# Altium PCB novena_evt1_a.PcbDoc (part 1 of 12) (continued)
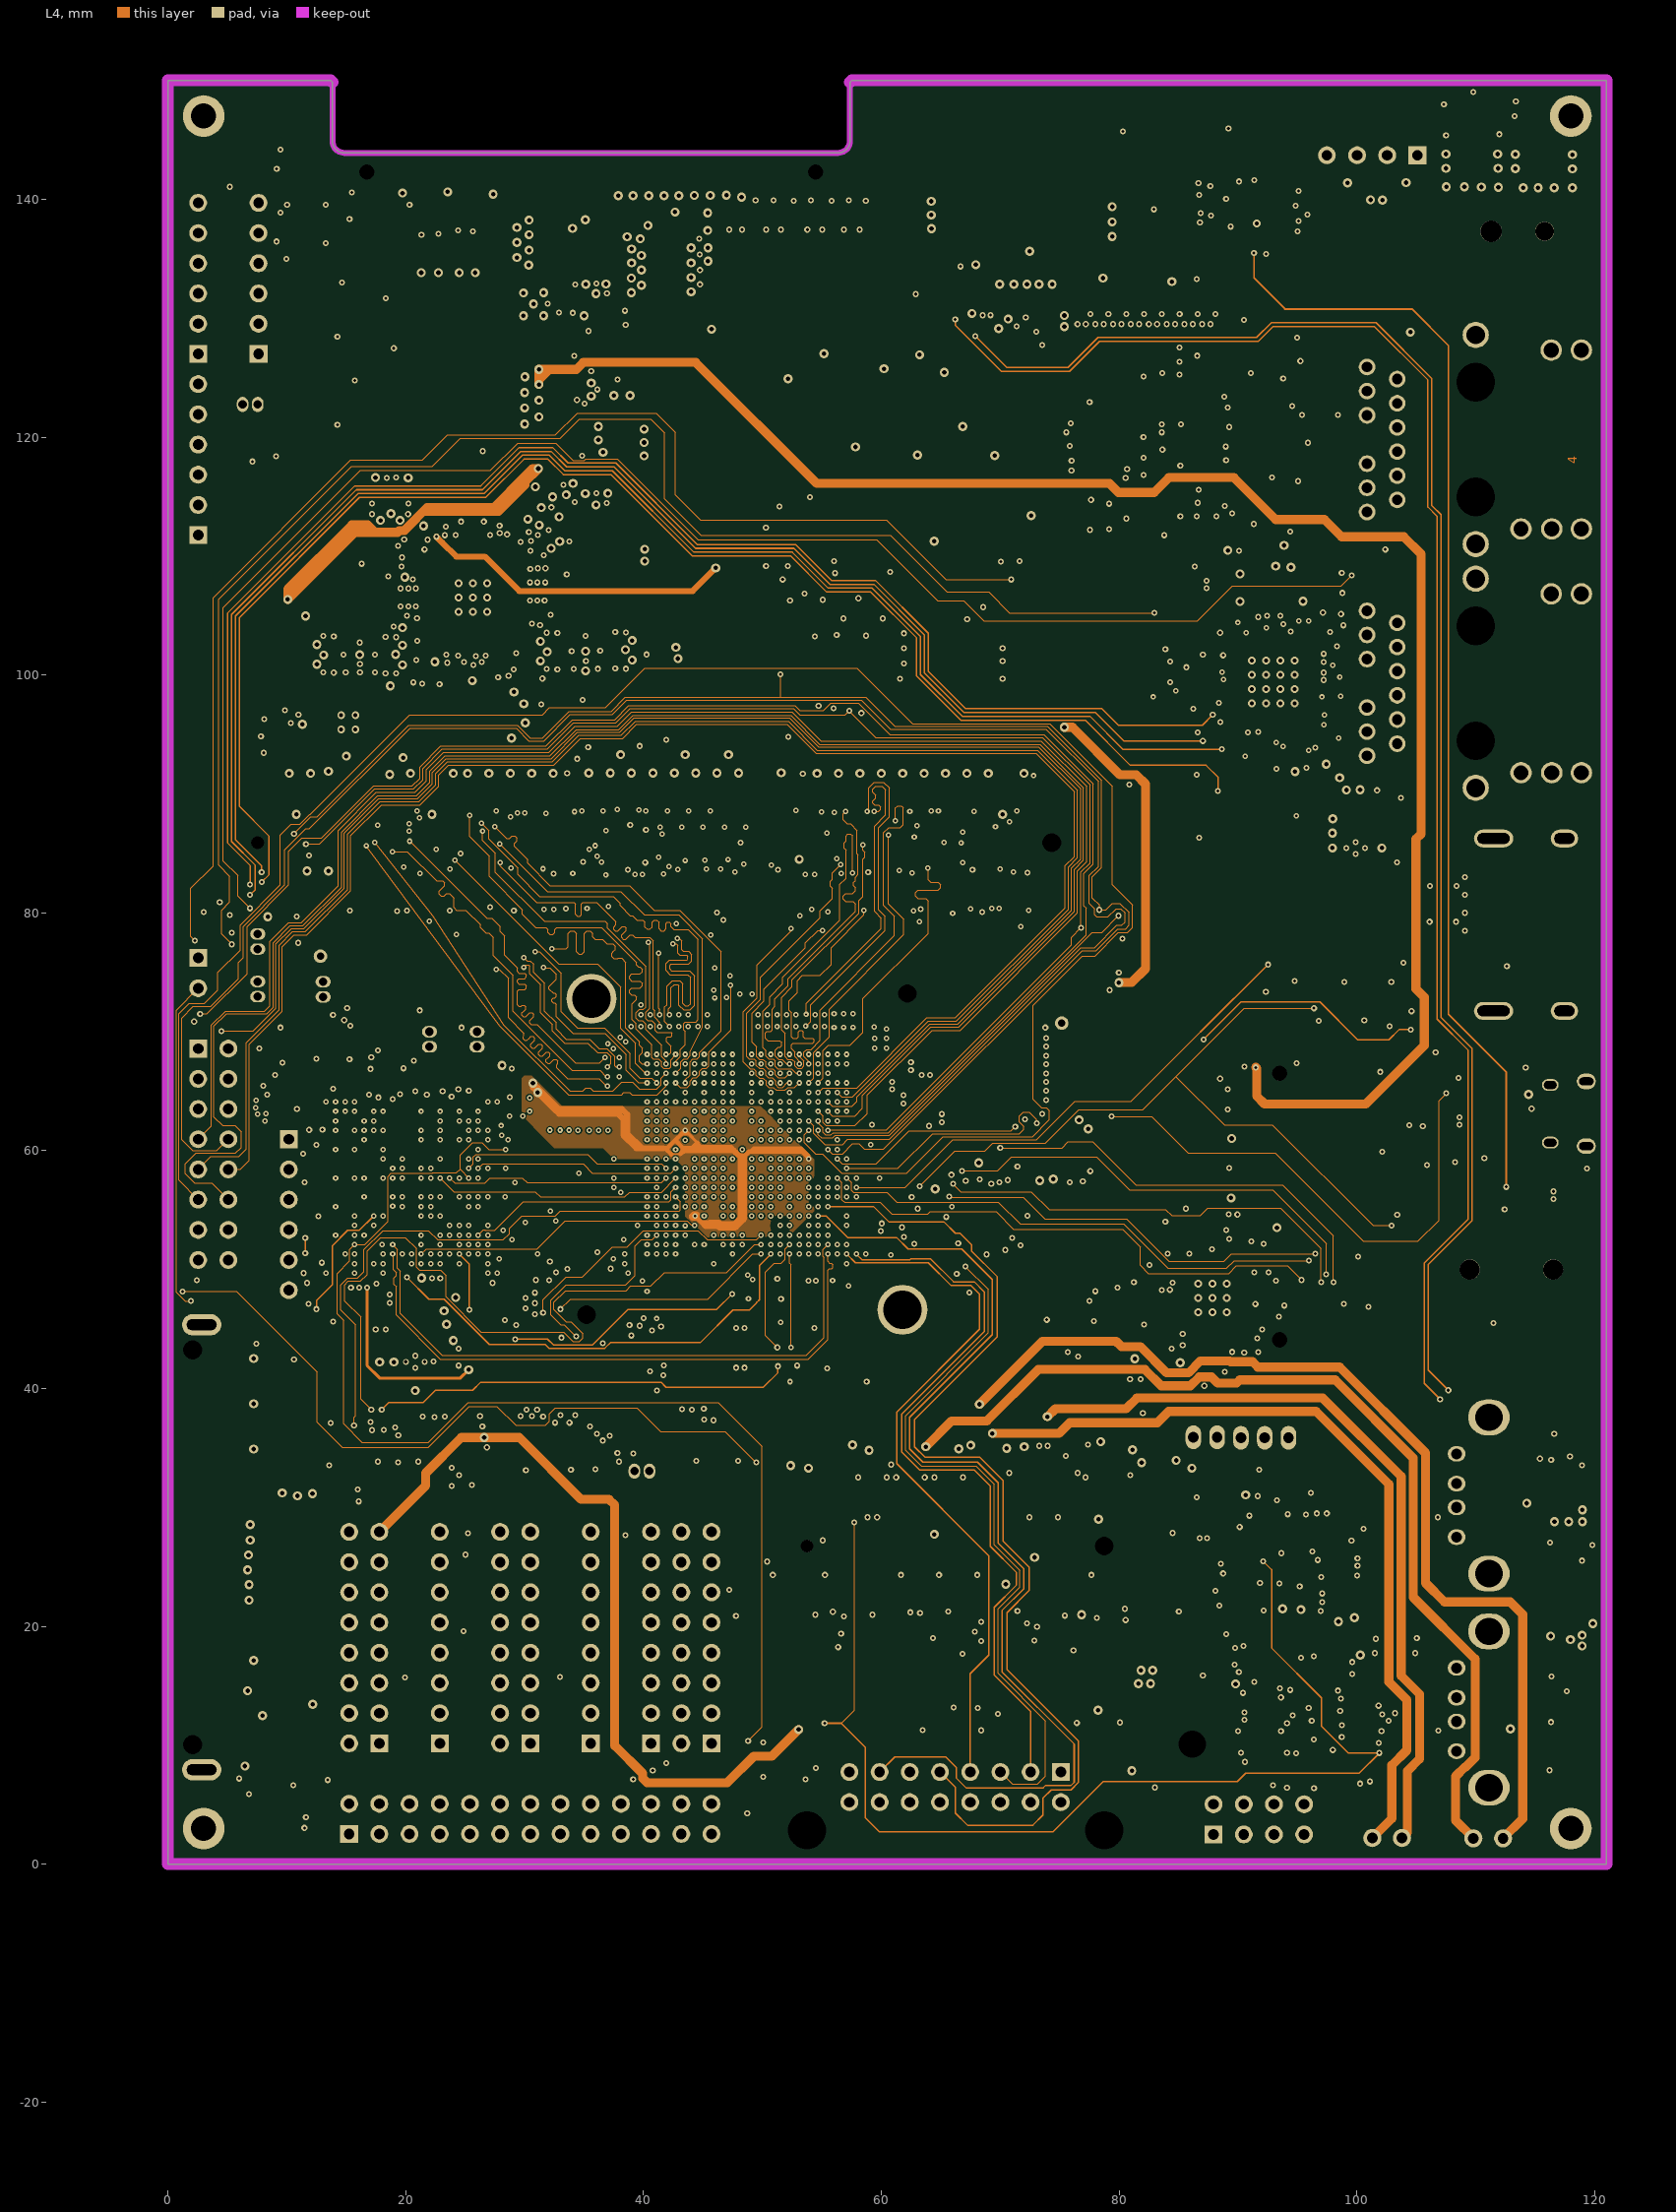
[diagram p4: L4]
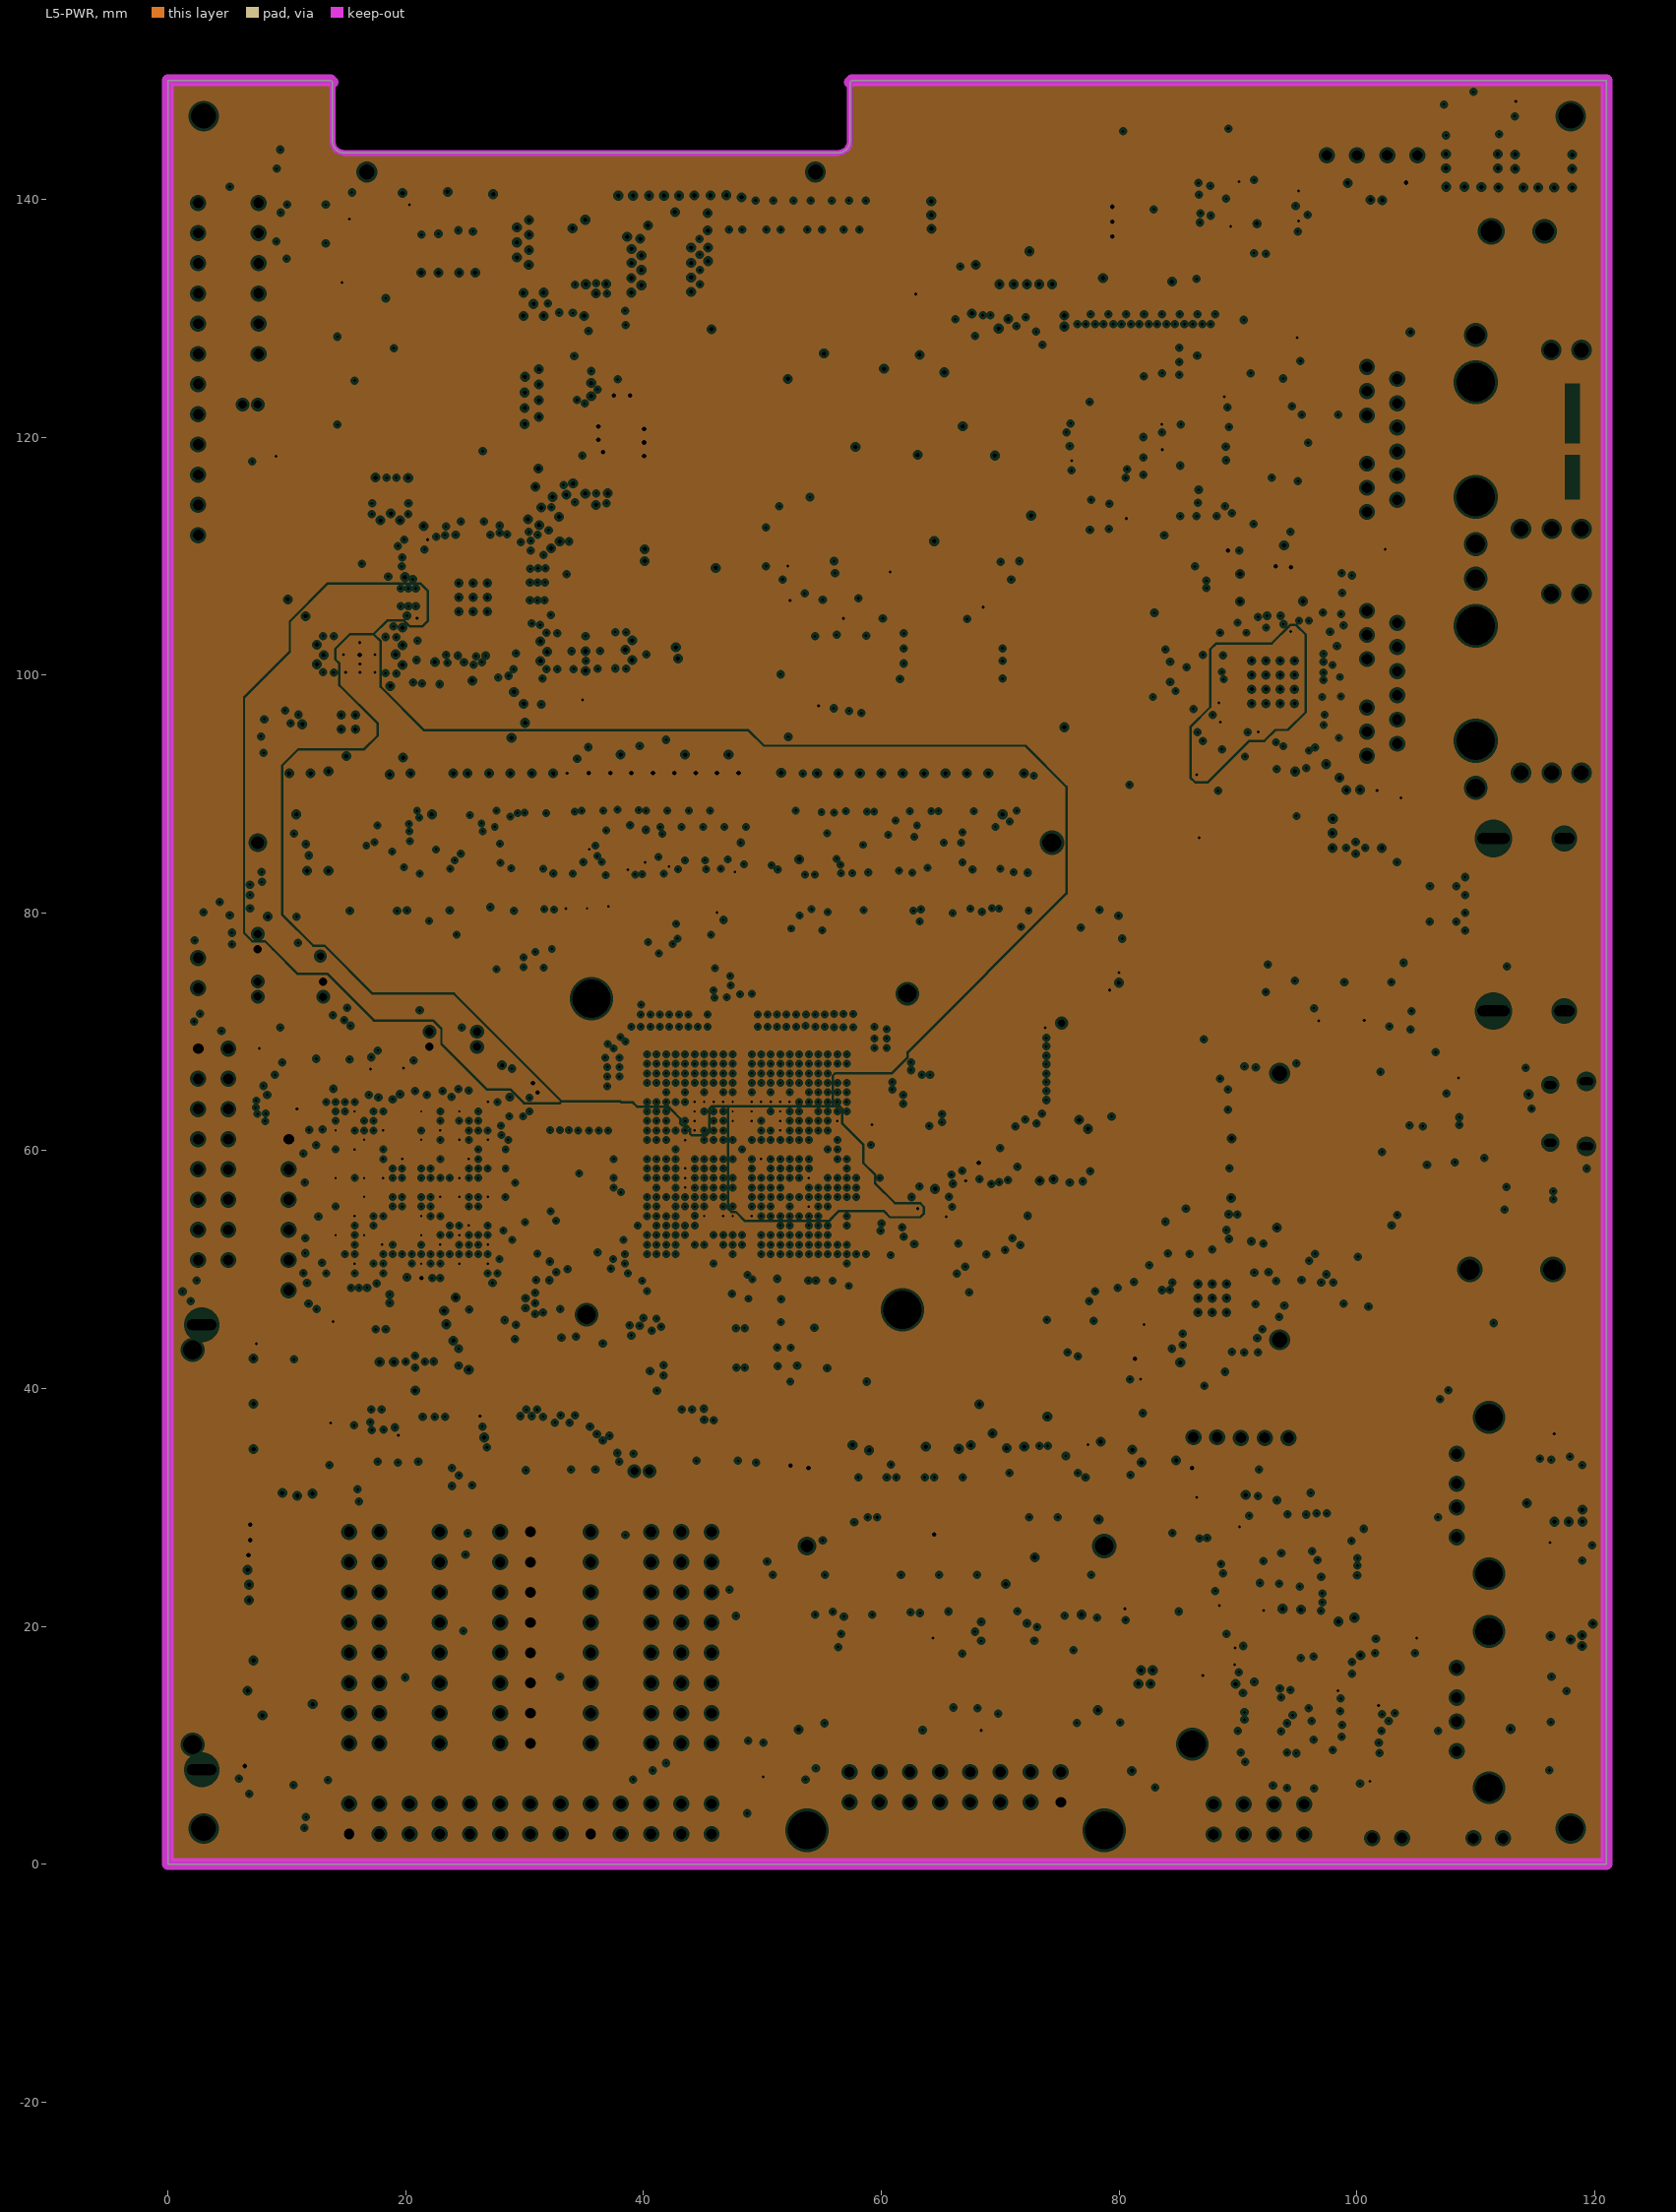
[diagram p5: L5-PWR, clearances drawn from the general rule]
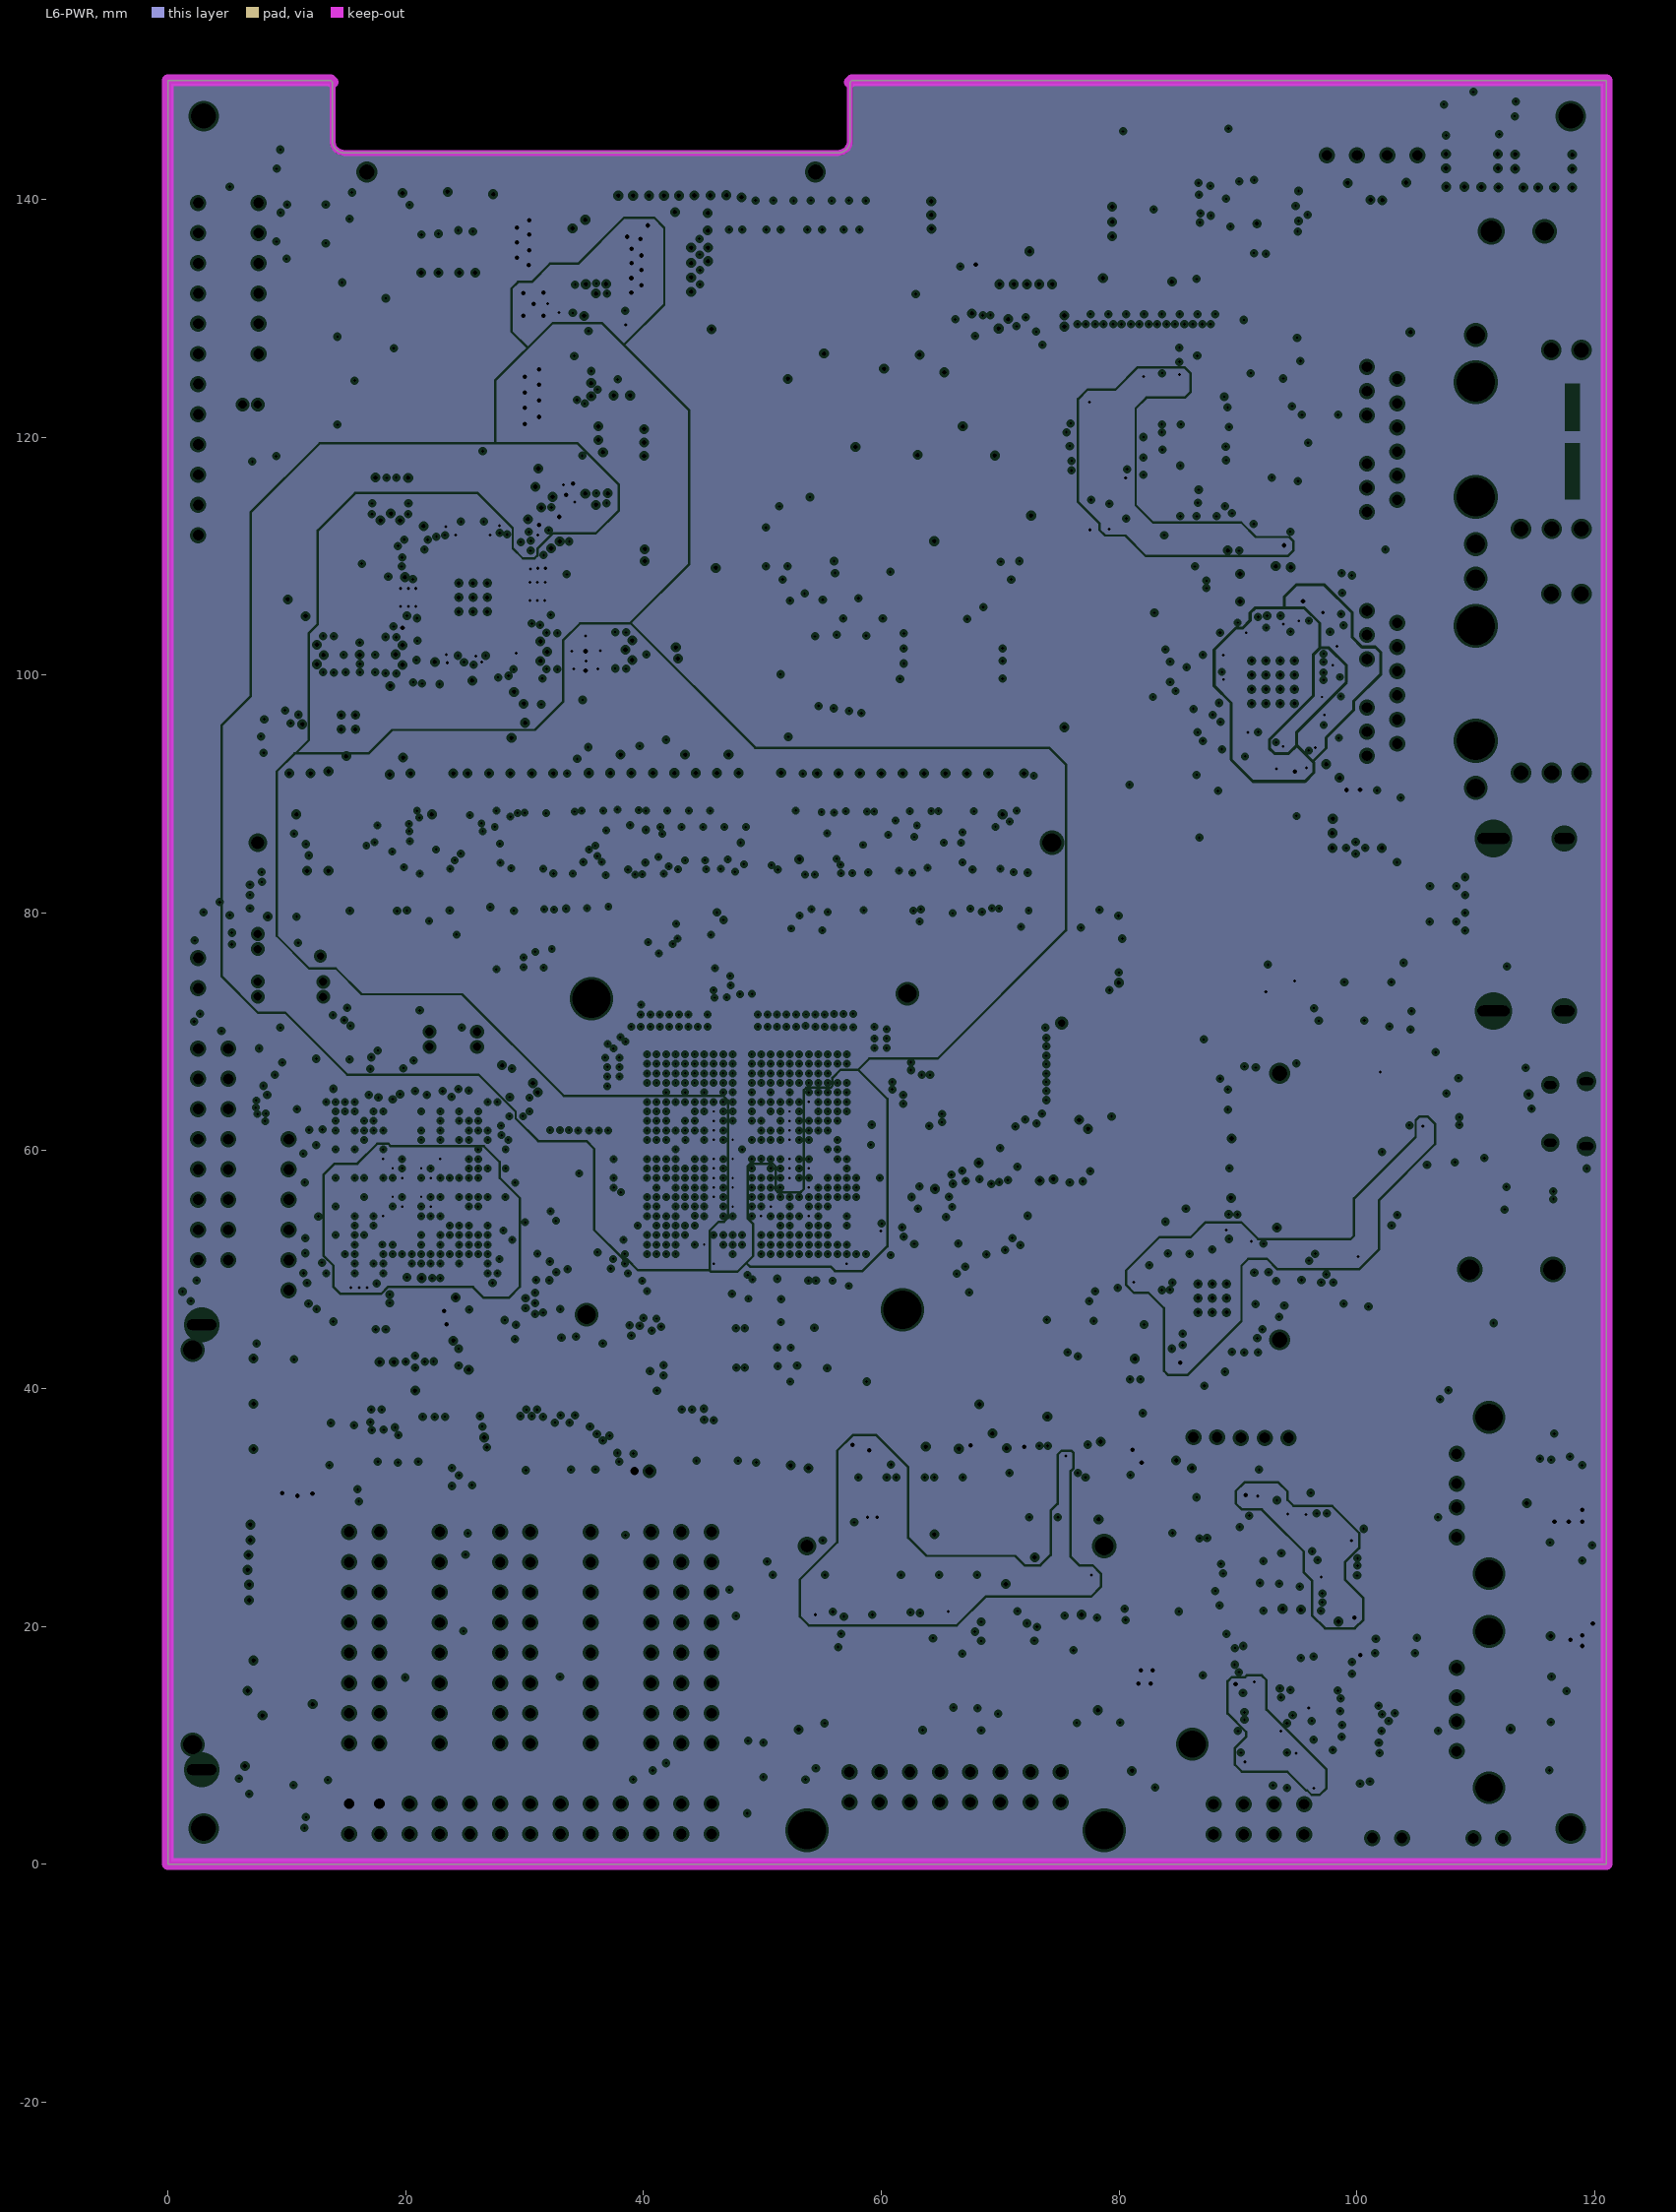
[diagram p6: L6-PWR, clearances drawn from the general rule]
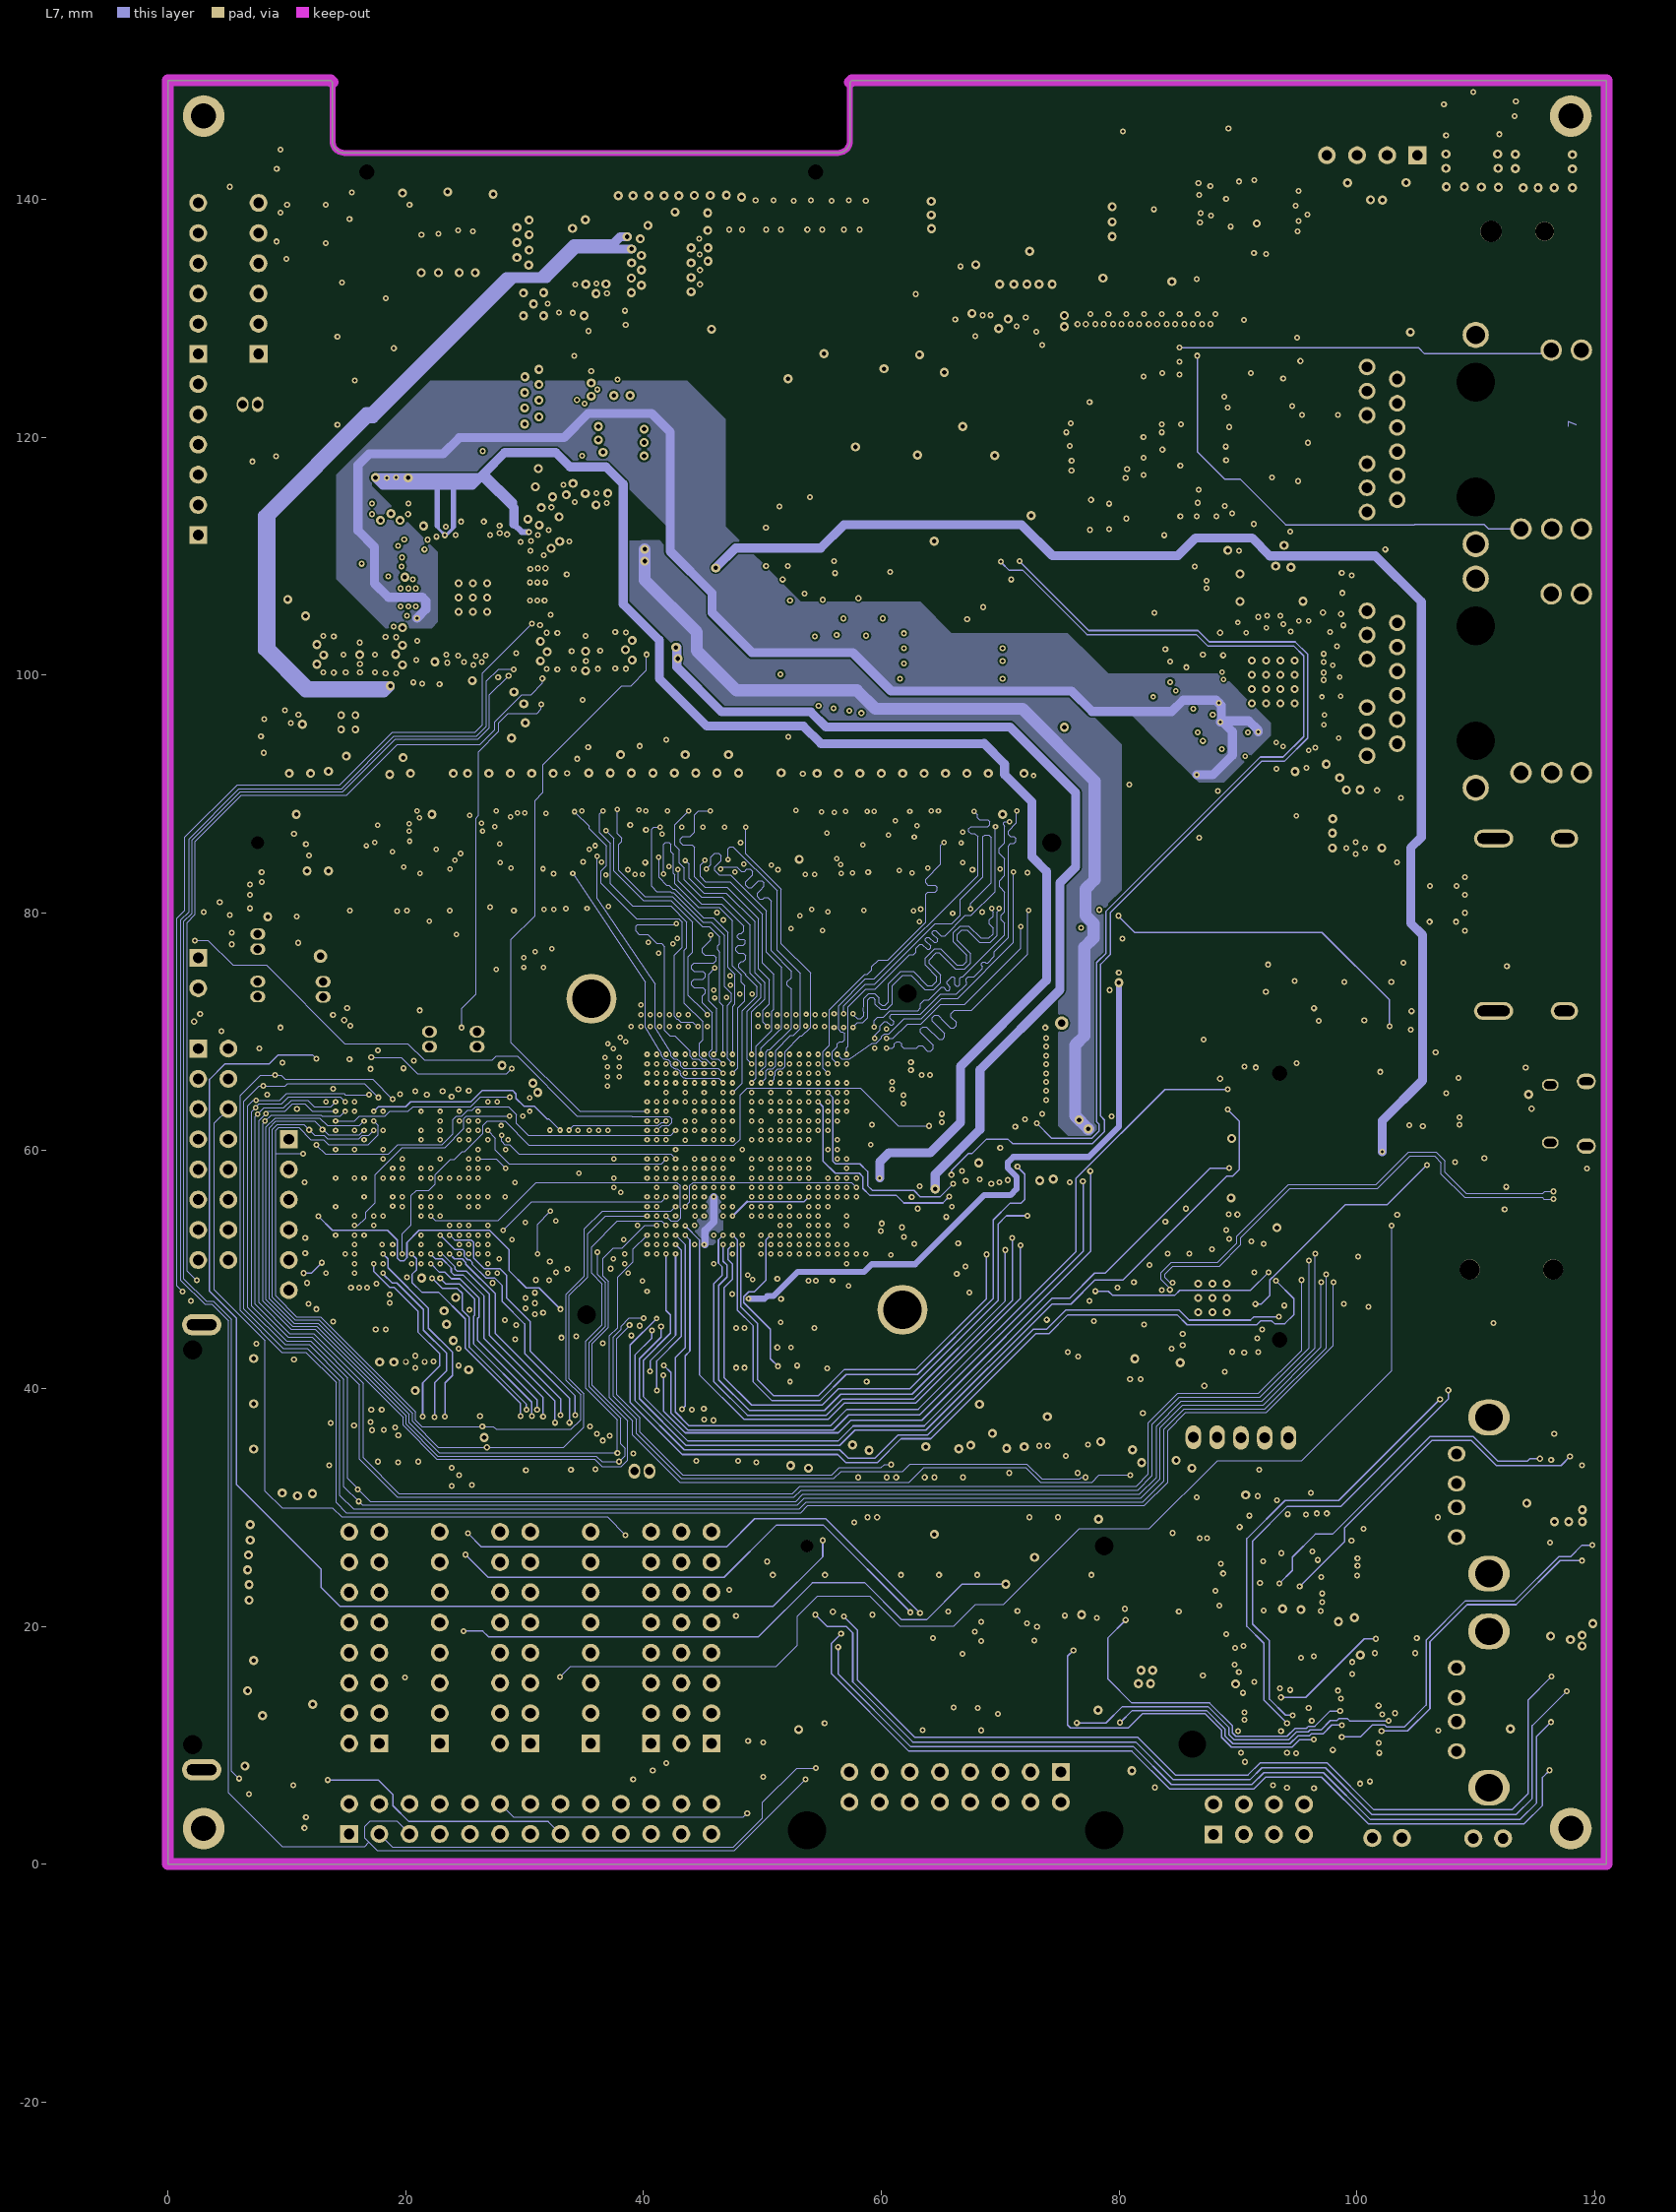
[diagram p7: L7]